# Altium PCB MAINBOARD_PCB.PcbDoc (part 1 of 5)
Units mm, origin at the board's own origin, x right, y up, seen from the top; angles counter-clockwise.
Board outline 480.55 x 38.8 mm, 4 copper layers (Top Layer, Int1 (GND), Int2 (PWR), Bottom Layer), stack 1.547 mm thick; 399 components, 366 nets, 1333 pads, 1063 vias.
Unrouted connection lines stored in the file: 46.
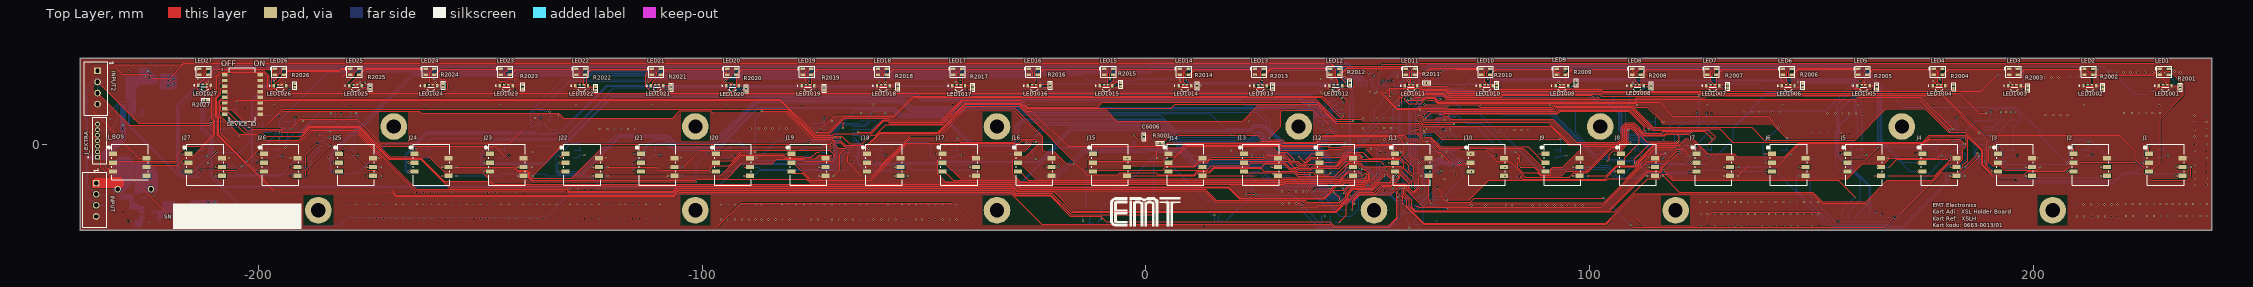
[diagram p0: Top Layer view]
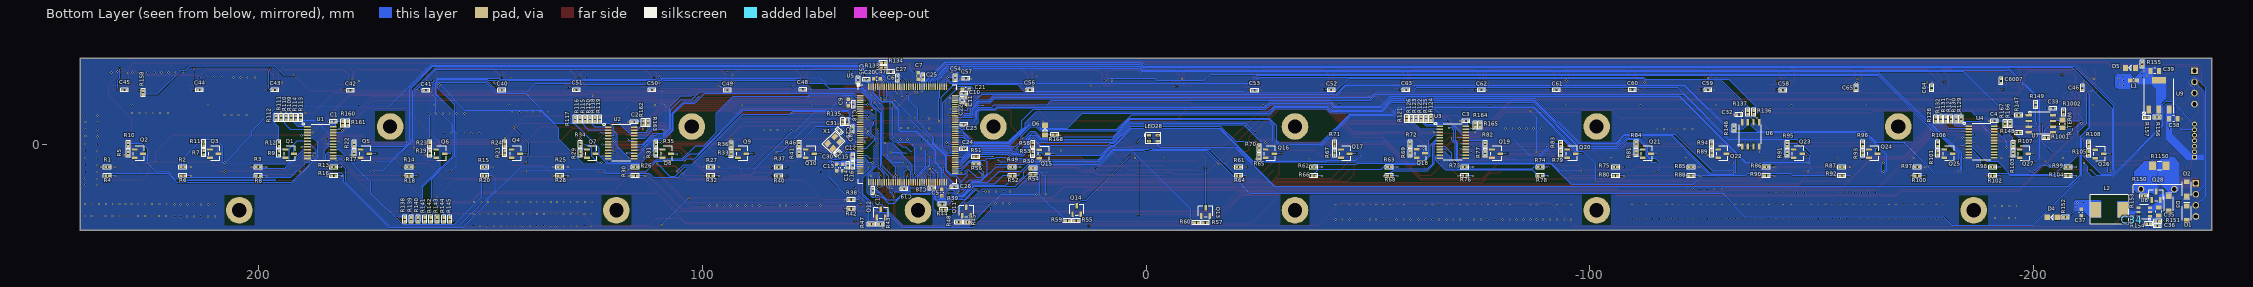
[diagram p1: Bottom Layer view, seen from below]
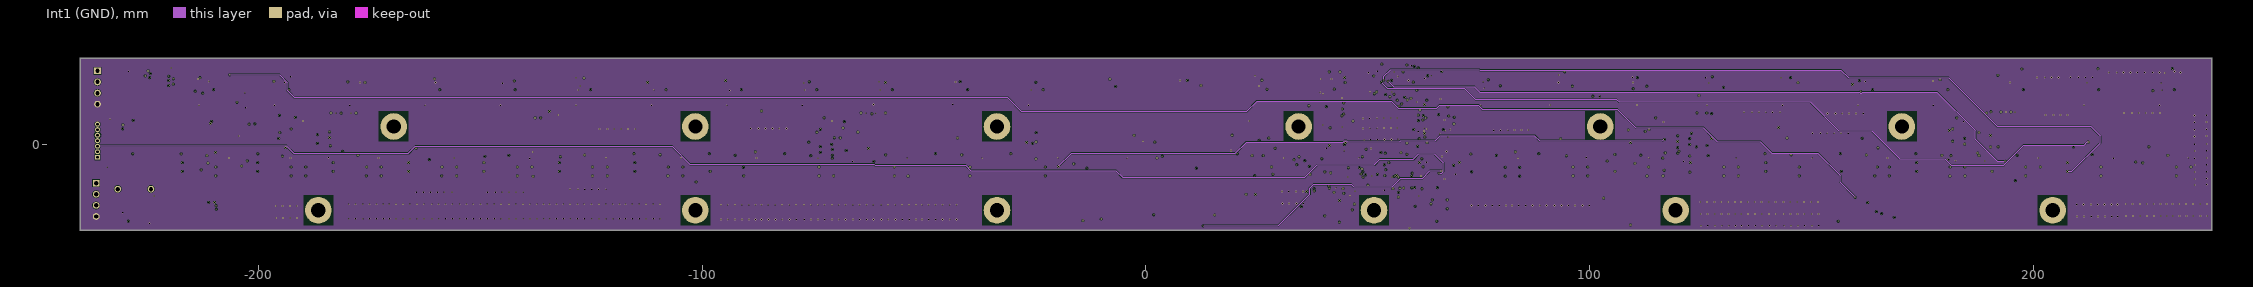
[diagram p2: Int1 (GND)]
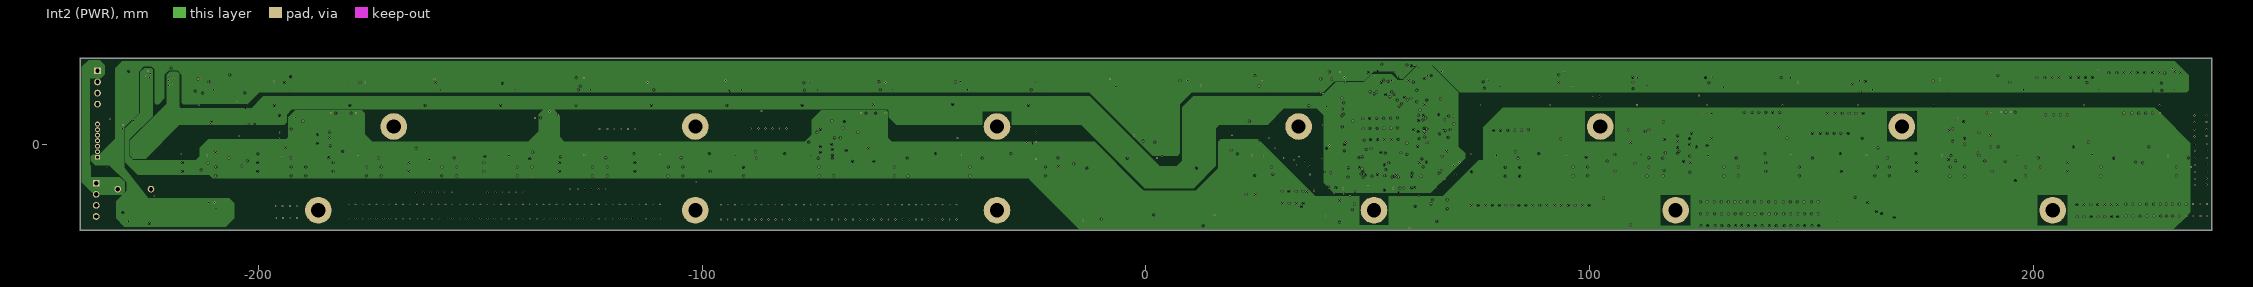
[diagram p3: Int2 (PWR)]
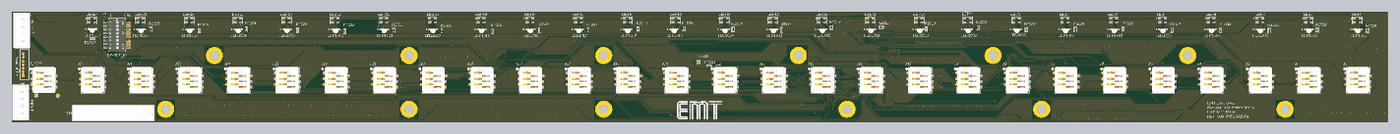
[diagram p8: 3D render of the assembled board from above, using the file's embedded part models]
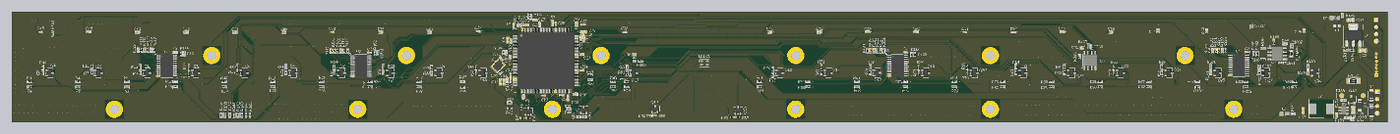
[diagram p9: 3D render of the assembled board from below, using the file's embedded part models]

## Layer stack, top to bottom
Top Solder: solder mask 0.0254, SM-001, Dk 4
Top Layer: signal copper 0.035
Dielectric 1: prepreg 0.1295, PP-017, Dk 4.3
Dielectric 2: prepreg 0.1295, PP-017, Dk 4.3
Int1 (GND): signal copper 0.035
Dielectric 3: core 0.889, Core-041, Dk 4.8
Int2 (PWR): signal copper 0.035
Dielectric 4: prepreg 0.1295, PP-017, Dk 4.3
Dielectric 5: prepreg 0.1295, PP-017, Dk 4.3
Bottom Layer: signal copper 0.035
Bottom Solder: solder mask 0.0254, SM-001, Dk 4

## Board outline
-240.275,-19.375 ccw(c-240.25,-19.375) -240.25,-19.4 240.225,-19.4 ccw(c240.225,-19.375) 240.243,-19.393 cw(c240.225,-19.375) 240.243,-19.393 240.268,-19.368 cw(c240.25,-19.35) 240.268,-19.368 ccw(c240.25,-19.35) 240.275,-19.35 240.275,19.375 ccw(c240.25,19.375) 240.25,19.4 -240.25,19.4 ccw(c-240.25,19.375) -240.275,19.375

## Design rules (kind name [scope] priority, off if disabled: settings)
BoardOutlineClearance [All] p1: gap=0.1 ignorepadtopadclearanceinfootprint=FALSE except(0.4: Track-OutlineEdge)
Clearance "PCBWAY Standarts" [All] p1: gap=0.1 ignorepadtopadclearanceinfootprint=FALSE
DiffPairsRouting [All] p1: maxlimit=0.254 minlimit=0.254 mostfreqgap=0.254 toplayer_minwidth=0.381 toplayer_maxwidth=0.381 toplayer_prefwidth=0.381 midlayer1_minwidth=0.381 midlayer1_maxwidth=0.381 midlayer1_prefwidth=0.381 midlayer2_minwidth=0.381 midlayer2_maxwidth=0.381 midlayer2_prefwidth=0.381 bottomlayer_minwidth=0.381 bottomlayer_maxwidth=0.381 bottomlayer_prefwidth=0.381 maxuncoupledlength=12.7
Height [All] p1: minheight=0 maxheight=35.4 prefheight=12.7
HoleSize [All] p1: absolutevalues=TRUE maxlimit=5 minlimit=0.2 maxpercent=80.000 minpercent=20.000
HoleToHoleClearance [All] p1: gap=0 allowstackedmicrovias=TRUE
MinimumSolderMaskSliver [All] p1: minsoldermaskwidth=0
PolygonConnect [All] p1: connectstyle=Relief reliefconductorwidth=0.254 reliefentries=4 polygonreliefangle="90 Angle" airgapwidth=0.254
RoutingVias 0.3mm/0.6mm [All] p1: holewidth=0.3 width=0.6 viastyle="Through Hole" minholewidth=0.1 minwidth=0.2 maxholewidth=4 maxwidth=5
SilkToSilkClearance [All] p1: silktosilkclearance=0.1
SilkToSolderMaskClearance [IsPad] p1: minsilkscreentomaskgap=0.05 clearancetoexposedcopper=TRUE
SolderMaskExpansion [All] p1: expansion=0.102
Width 0.15mm [All] p1: maxlimit=20 minlimit=0.15 preferedwidth=0.2 minimp=50.000000 maximp=50.000000 favimp=50.000000
23 further rules are at their usual default settings.

## Classes and differential pairs
component class RGB_LED_3: C64 C65 C67 C6006 C6007 LED25 LED26 LED27 LED28 LED1025 LED1026 LED1027 R2025 R2026 R2027 R3001
component class RGB_LED_2: C52 C53 C54 C55 C56 C57 C58 C59 C60 C61 C62 C63 LED13 LED14 LED15 LED16 LED17 LED18 LED19 LED20 LED21 LED22 LED23 LED24 LED1013 LED1014 LED1015 LED1016 LED1017 LED1018 LED1019 LED1020 LED1021 LED1022 LED1023 LED1024 R2013 R2014 R2015 R2016 R2017 R2018 R2019 R2020 R2021 R2022 R2023 R2024
component class "RGB LEDs": C40 C41 C42 C43 C44 C45 C46 C47 C48 C49 C50 C51 LED1 LED2 LED3 LED4 LED5 LED6 LED7 LED8 LED9 LED10 LED11 LED12 LED1001 LED1002 LED1003 LED1004 LED1005 LED1006 LED1007 LED1008 LED1009 LED1010 LED1011 LED1012 R158 R2001 R2002 R2003 R2004 R2005 R2006 R2007 R2008 R2009 R2010 R2011 R2012
component class POWER: C34 C35 C36 C37 C38 C39 D3 D4 D5 L2 Q28 R150 R151 R152 R153 R154 R155 R156 R157 R1150 U8 U9
component class MISC: C32 C33 D1 D2 D6 DEVICE_ID R136 R137 R138 R139 R140 R141 R142 R143 R144 R145 R146 R147 R148 R149 R168 R1001 R1002 R_TERM U6 U7
component class MICROCONTROLLER: C5 C6 C7 C8 C9 C10 C11 C12 C13 C14 C15 C16 C17 C18 C19 C20 C21 C22 C23 C24 C25 C26 C27 C28 C29 C30 C31 L1 R133 R134 R135 U5 X1
component class "I2C SWITCH": C1 C2 C3 C4 R109 R110 R111 R112 R113 R114 R115 R116 R117 R118 R119 R120 R121 R122 R123 R124 R125 R126 R127 R128 R129 R130 R131 R132 R160 R161 R162 R163 R164 R165 R166 R167 U1 U2 U3 U4
component class CONNECTORs: INPUT INPUT2 J1 J2 J3 J4 J5 J6 J7 J8 J9 J10 J11 J12 J13 J14 J15 J16 J17 J18 J19 J20 J21 J22 J23 J24 J25 J26 J27 J_BOS J_EXTRA Q1 Q2 Q3 Q4 Q5 Q6 Q7 Q8 Q9 Q10 Q11 Q12 Q13 Q14 Q15 Q16 Q17 Q18 Q19 Q20 Q21 Q22 Q23 Q24 Q25 Q26 Q27 R1 R2 R3 R4 R5 R6 R7 R8 R9 R10 R11 R12 R13 R14 R15 R16 R17 R18 R19 R20 R21 R22 R23 R24 R25 R26 R27 R28 R29 R30 R31 R32 R33 R34 R35 R36 R37 R38 R39 R40 R41 R42 R43 R44 R45 R46 R47 R48 R49 R50 R51 R52 R53 R54 R55 R56 R57 R58 R59 R60 R61 R62 R63 R64 R65 R66 R67 R68 R69 R70 R71 R72 R73 R74 R75 R76 R77 R78 R79 R80 R81 R82 R83 R84 R85 R86 R87 R88 R89 R90 R91 R92 R93 R94 R95 R96 R97 R98 R99 R100 R101 R102 R103 R104 R105 R106 R107 R108
differential pair RS485: +RS485_P -RS485_N

## Components (designator, comment, footprint, x,y, rotation, side; value= is the part's Value field where it differs from the comment)
C1 "CL05B104KP5NNNC" CAP_0402_CER 183.144,5.1 r180 bottom value=100nF
C2 "CL05B104KP5NNNC" CAP_0402_CER 115.369,5.05 r180 bottom value=100nF
C3 "CL05B104KP5NNNC" CAP_0402_CER -72.131,5.25 r180 bottom value=100nF
C4 "CL05B104KP5NNNC" CAP_0402_CER -191.306,5.225 r180 bottom value=100nF
C5 "CL10A225KP8NNNC" CAP_0603_CER 46.019,-10.875 r90 bottom value=2.2uF
C6 "CL10A225KP8NNNC" CAP_0603_CER 60.669,14.75 r0 bottom value=2.2uF
C7 "CL10A225KP8NNNC" CAP_0603_CER 51.319,15.4 r90 bottom value=2.2uF
C8 "CL05B104KP5NNNC" CAP_0402_CER 66.175,3.4 r270 bottom value=100nF
C9 "CL10A225KP8NNNC" CAP_0603_CER 67.119,9.4 r270 bottom value=2.2uF
C10 "CL05B104KP5NNNC" CAP_0402_CER 41.075,11.475 r180 bottom value=100nF
C11 "CL10A225KP8NNNC" CAP_0603_CER 40.39,9.714 r270 bottom value=2.2uF
C12 "CL05B104KP5NNNC" CAP_0402_CER 66.094,-2.825 r90 bottom value=100nF
C13 "CL10A225KP8NNNC" CAP_0603_CER 69.669,-5.25 r90 bottom value=2.2uF
C14 "CL05B104KP5NNNC" CAP_0402_CER 67.219,-4.8 r270 bottom value=100nF
C15 "CL10A225KP8NNNC" CAP_0603_CER 68.369,-5.25 r90 bottom value=2.2uF
C16 "CL05B104KP5NNNC" CAP_0402_CER 66.094,-4.8 r270 bottom value=100nF
C17 "CL05B104KP5NNNC" CAP_0402_CER 61.519,-10.475 r270 bottom value=100nF
C18 "CL05B104KP5NNNC" CAP_0402_CER 65.969,9 r90 bottom value=100nF
C19 "CL05B104KP5NNNC" CAP_0402_CER 54.525,-10.075 r180 bottom value=100nF
C20 "CL05B104KP5NNNC" CAP_0402_CER 63.019,14.6 r180 bottom value=100nF
C21 "CL10A475KP8NNNC" CAP_0603_CER 40.619,12.4 r0 bottom value=4.7uF
C22 "CL05B104KP5NNNC" CAP_0402_CER 41.442,9.914 r90 bottom value=100nF
C23 "CL05B104KP5NNNC" CAP_0402_CER 41.069,4.425 r180 bottom value=100nF
C24 "CL05B104KP5NNNC" CAP_0402_CER 41.076,-1.097 r180 bottom value=100nF
C25 "CL05B104KP5NNNC" CAP_0402_CER 50.3,15.1 r90 bottom value=100nF
C26 "CL05B104KP5NNNC" CAP_0402_CER 43.225,-9.65 r180 bottom value=100nF
C27 "CL05B104KP5NNNC" CAP_0402_CER 55.994,14.875 r90 bottom value=100nF
C28 "CL05B104KP5NNNC" CAP_0402_CER 48.278,-9.925 r180 bottom value=100nF
C29 "CL05B104KP5NNNC" CAP_0402_CER 67.319,5.05 r270 bottom value=100nF
C30 "CC0402JRNPO9BN180" CAP_0402_CER 69.494,-2.075 r315 bottom value=18pF
C31 "CC0402JRNPO9BN180" CAP_0402_CER 69.169,3.05 r45 bottom value=18pF
C32 "CL05B104KP5NNNC" CAP_0402_CER -133.681,6.65 r180 bottom value=100nF
C33 "CL05B104KP5NNNC" CAP_0402_CER -204.506,8.075 r180 bottom value=100nF
C34 "CL05B104KP5NNNC" CAP_0402_CER -222.381,-16.975 r270 bottom value=100nF
C35 "CL21A106KOQNNNE" CAP_0805_CER -228.331,-15.15 r90 bottom value=10uF
C36 "CC0402JRNPO9BN101" CAP_0402_CER -228.006,-18.4 r0 bottom value=100pF
C37 "CL10A475KP8NNNC" CAP_0603_CER -210.831,-15.375 r90 bottom value=4.7uF
C38 "CL21A106KOQNNNE" CAP_0805_CER -231.631,5.775 r0 bottom value=10uF
C39 "CL21A106KOQNNNE" CAP_0805_CER -227.406,16.5 r0 bottom value=10uF
C40 "CL05B104KP5NNNC" CAP_0402_CER 145.244,12.175 r0 bottom value=100nF
C41 "CL05B104KP5NNNC" CAP_0402_CER 162.319,12.15 r0 bottom value=100nF
C42 "CL05B104KP5NNNC" CAP_0402_CER 179.344,12.15 r0 bottom value=100nF
C43 "CL05B104KP5NNNC" CAP_0402_CER 196.369,12.2 r0 bottom value=100nF
C44 "CL05B104KP5NNNC" CAP_0402_CER 213.344,12.225 r0 bottom value=100nF
C45 "CL05B104KP5NNNC" CAP_0402_CER 230.294,12.25 r0 bottom value=100nF
C46 "CL05B104KP5NNNC" CAP_0402_CER -211.156,12.7 r270 bottom value=100nF
C47 "CL05B104KP5NNNC" CAP_0402_CER 57.5,16.35 r0 bottom value=100nF
C48 "CL05B104KP5NNNC" CAP_0402_CER 77.325,12.375 r0 bottom value=100nF
C49 "CL05B104KP5NNNC" CAP_0402_CER 94.369,12.175 r0 bottom value=100nF
C50 "CL05B104KP5NNNC" CAP_0402_CER 111.394,12.2 r0 bottom value=100nF
C51 "CL05B104KP5NNNC" CAP_0402_CER 128.394,12.25 r0 bottom value=100nF
C52 "CL05B104KP5NNNC" CAP_0402_CER -41.781,12.2 r0 bottom value=100nF
C53 "CL05B104KP5NNNC" CAP_0402_CER -24.506,12.15 r0 bottom value=100nF
C54 "CL05B104KP5NNNC" CAP_0402_CER 42.994,14.975 r270 bottom value=100nF
C55 "CL05B104KP5NNNC" CAP_0402_CER 64.875,14.475 r270 bottom value=100nF
C56 "CL05B104KP5NNNC" CAP_0402_CER 26.144,12.275 r0 bottom value=100nF
C57 "CL05B104KP5NNNC" CAP_0402_CER 40.55,14.85 r0 bottom value=100nF
C58 "CL05B104KP5NNNC" CAP_0402_CER -143.606,12.175 r0 bottom value=100nF
C59 "CL05B104KP5NNNC" CAP_0402_CER -126.681,12.225 r0 bottom value=100nF
C60 "CL05B104KP5NNNC" CAP_0402_CER -109.681,12.3 r0 bottom value=100nF
C61 "CL05B104KP5NNNC" CAP_0402_CER -92.556,12.25 r0 bottom value=100nF
C62 "CL05B104KP5NNNC" CAP_0402_CER -75.631,12.225 r0 bottom value=100nF
C63 "CL05B104KP5NNNC" CAP_0402_CER -58.656,12.225 r0 bottom value=100nF
C64 "CL05B104KP5NNNC" CAP_0402_CER -177.131,12.7 r270 bottom value=100nF
C65 "CL05B104KP5NNNC" CAP_0402_CER -160.131,12.7 r270 bottom value=100nF
C6006 "*" CAP_0402_CER -0.475,1.7 r90 top
C6007 "*" CAP_0402_CER -192.775,14.25 r90 bottom
D1 "SMF16CA" SOD-123F -234.681,-15.419 r270 bottom value=16V
D2 "SMF16CA" SOD-123F -234.631,-10.181 r90 bottom value=16V
D3 "SMF13A" SOD-123F -230.625,-13.275 r270 bottom value=13V
D4 "HSMM-C170" LED_0805_SMD -204.381,-16.55 r0 bottom
D5 "HSMM-C170" LED_0805_SMD -222.006,17.125 r0 bottom
D6 "HSMM-C170" LED_0805_SMD 22.848,3.099 r90 bottom
DEVICE_ID "218-8LPST" 218-8LPST -203.706,11.3 r0 top locked value=SPST-8POS
INPUT "B4B-XH-A" B4B-XH-A -236.681,-12.45 r90 top value=4pos
INPUT2 "B4B-XH-A" B4B-XH-A -236.375,12.875 r90 top value=4pos
J1 "009159006651906" 009159006651906 229.575,-4.565 r270 top locked value=N/A
J2 "009159006651906" 009159006651906 212.575,-4.565 r270 top locked value=N/A
J3 "009159006651906" 009159006651906 195.575,-4.565 r270 top locked value=N/A
J4 "009159006651906" 009159006651906 178.575,-4.565 r270 top locked value=N/A
J5 "009159006651906" 009159006651906 161.575,-4.565 r270 top locked value=N/A
J6 "009159006651906" 009159006651906 144.575,-4.565 r270 top locked value=N/A
J7 "009159006651906" 009159006651906 127.575,-4.565 r270 top locked value=N/A
J8 "009159006651906" 009159006651906 110.575,-4.565 r270 top locked value=N/A
J9 "009159006651906" 009159006651906 93.575,-4.565 r270 top locked value=N/A
J10 "009159006651906" 009159006651906 76.575,-4.565 r270 top locked value=N/A
J11 "009159006651906" 009159006651906 59.575,-4.565 r270 top locked value=N/A
J12 "009159006651906" 009159006651906 42.575,-4.565 r270 top locked value=N/A
J13 "009159006651906" 009159006651906 25.575,-4.565 r270 top locked value=N/A
J14 "009159006651906" 009159006651906 8.575,-4.565 r270 top locked value=N/A
J15 "009159006651906" 009159006651906 -8.425,-4.565 r270 top locked value=N/A
J16 "009159006651906" 009159006651906 -25.425,-4.565 r270 top locked value=N/A
J17 "009159006651906" 009159006651906 -42.425,-4.565 r270 top locked value=N/A
J18 "009159006651906" 009159006651906 -59.425,-4.565 r270 top locked value=N/A
J19 "009159006651906" 009159006651906 -76.425,-4.565 r270 top locked value=N/A
J20 "009159006651906" 009159006651906 -93.425,-4.565 r270 top locked value=N/A
J21 "009159006651906" 009159006651906 -110.425,-4.565 r270 top locked value=N/A
J22 "009159006651906" 009159006651906 -127.425,-4.565 r270 top locked value=N/A
J23 "009159006651906" 009159006651906 -144.425,-4.565 r270 top locked value=N/A
J24 "009159006651906" 009159006651906 -161.425,-4.565 r270 top locked value=N/A
J25 "009159006651906" 009159006651906 -178.425,-4.565 r270 top locked value=N/A
J26 "009159006651906" 009159006651906 -195.425,-4.565 r270 top locked value=N/A
J27 "009159006651906" 009159006651906 -212.425,-4.565 r270 top locked value=N/A
J_BOS "009159006651906" 009159006651906 -229.425,-4.565 r270 top locked value=N/A
J_EXTRA "1734598-7" TE_1734598-7 -236.375,0.811 r90 top
L1 "MPZ1608S221ATA00" IND_0603_SMD -222.631,14.4 r0 bottom value="220 Ohms @ 100 MHz"
L2 "BMRB00060630100MA1" IND_YAGEO -220.206,-14.725 r0 bottom value=10u
LED1 "IN-PI22TAT5R5G5B" RGB_IN-PI22TAT5R5G5B 230.575,17 r180 top value=N/A
LED2 "IN-PI22TAT5R5G5B" RGB_IN-PI22TAT5R5G5B 213.575,17 r180 top value=N/A
LED3 "IN-PI22TAT5R5G5B" RGB_IN-PI22TAT5R5G5B 196.575,17 r180 top value=N/A
LED4 "IN-PI22TAT5R5G5B" RGB_IN-PI22TAT5R5G5B 179.575,17 r180 top value=N/A
LED5 "IN-PI22TAT5R5G5B" RGB_IN-PI22TAT5R5G5B 162.575,17 r180 top value=N/A
LED6 "IN-PI22TAT5R5G5B" RGB_IN-PI22TAT5R5G5B 145.575,17 r180 top value=N/A
LED7 "IN-PI22TAT5R5G5B" RGB_IN-PI22TAT5R5G5B 128.575,17 r180 top value=N/A
LED8 "IN-PI22TAT5R5G5B" RGB_IN-PI22TAT5R5G5B 111.575,17 r180 top value=N/A
LED9 "IN-PI22TAT5R5G5B" RGB_IN-PI22TAT5R5G5B 94.575,17 r180 top value=N/A
LED10 "IN-PI22TAT5R5G5B" RGB_IN-PI22TAT5R5G5B 77.575,17 r180 top value=N/A
LED11 "IN-PI22TAT5R5G5B" RGB_IN-PI22TAT5R5G5B 60.575,17 r180 top value=N/A
LED12 "IN-PI22TAT5R5G5B" RGB_IN-PI22TAT5R5G5B 43.575,17 r180 top value=N/A
LED13 "IN-PI22TAT5R5G5B" RGB_IN-PI22TAT5R5G5B 26.575,17 r180 top value=N/A
LED14 "IN-PI22TAT5R5G5B" RGB_IN-PI22TAT5R5G5B 9.575,17 r180 top value=N/A
LED15 "IN-PI22TAT5R5G5B" RGB_IN-PI22TAT5R5G5B -7.425,17 r180 top value=N/A
LED16 "IN-PI22TAT5R5G5B" RGB_IN-PI22TAT5R5G5B -24.425,17 r180 top value=N/A
LED17 "IN-PI22TAT5R5G5B" RGB_IN-PI22TAT5R5G5B -41.425,17 r180 top value=N/A
LED18 "IN-PI22TAT5R5G5B" RGB_IN-PI22TAT5R5G5B -58.425,17 r180 top value=N/A
LED19 "IN-PI22TAT5R5G5B" RGB_IN-PI22TAT5R5G5B -75.425,17 r180 top locked value=N/A
LED20 "IN-PI22TAT5R5G5B" RGB_IN-PI22TAT5R5G5B -92.425,17 r180 top locked value=N/A
LED21 "IN-PI22TAT5R5G5B" RGB_IN-PI22TAT5R5G5B -109.425,17 r180 top locked value=N/A
LED22 "IN-PI22TAT5R5G5B" RGB_IN-PI22TAT5R5G5B -126.425,17 r180 top locked value=N/A
LED23 "IN-PI22TAT5R5G5B" RGB_IN-PI22TAT5R5G5B -143.425,17 r180 top locked value=N/A
LED24 "IN-PI22TAT5R5G5B" RGB_IN-PI22TAT5R5G5B -160.425,17 r180 top locked value=N/A
LED25 "IN-PI22TAT5R5G5B" RGB_IN-PI22TAT5R5G5B -177.425,17 r180 top locked value=N/A
LED26 "IN-PI22TAT5R5G5B" RGB_IN-PI22TAT5R5G5B -194.425,17 r180 top locked value=N/A
LED27 "IN-PI22TAT5R5G5B" RGB_IN-PI22TAT5R5G5B -211.425,17 r180 top locked value=N/A
LED28 "IN-PI22TAT5R5G5B" RGB_IN-PI22TAT5R5G5B -2.675,2 r0 bottom value=N/A
LED1001 "12-23C/RSGHBHW-5V01/2C" LED_12-23C/RSGHBHW-5V01/2C 229.775,13.2 r180 top
LED1002 "12-23C/RSGHBHW-5V01/2C" LED_12-23C/RSGHBHW-5V01/2C 212.775,13.2 r180 top
LED1003 "12-23C/RSGHBHW-5V01/2C" LED_12-23C/RSGHBHW-5V01/2C 195.775,13.2 r180 top
LED1004 "12-23C/RSGHBHW-5V01/2C" LED_12-23C/RSGHBHW-5V01/2C 178.775,13.2 r180 top
LED1005 "12-23C/RSGHBHW-5V01/2C" LED_12-23C/RSGHBHW-5V01/2C 161.775,13.2 r180 top
LED1006 "12-23C/RSGHBHW-5V01/2C" LED_12-23C/RSGHBHW-5V01/2C 144.775,13.2 r180 top
LED1007 "12-23C/RSGHBHW-5V01/2C" LED_12-23C/RSGHBHW-5V01/2C 127.775,13.2 r180 top
LED1008 "12-23C/RSGHBHW-5V01/2C" LED_12-23C/RSGHBHW-5V01/2C 110.775,13.2 r180 top
LED1009 "12-23C/RSGHBHW-5V01/2C" LED_12-23C/RSGHBHW-5V01/2C 93.775,13.2 r180 top
LED1010 "12-23C/RSGHBHW-5V01/2C" LED_12-23C/RSGHBHW-5V01/2C 76.775,13.2 r180 top
LED1011 "12-23C/RSGHBHW-5V01/2C" LED_12-23C/RSGHBHW-5V01/2C 59.775,13.2 r180 top
LED1012 "12-23C/RSGHBHW-5V01/2C" LED_12-23C/RSGHBHW-5V01/2C 42.775,13.2 r180 top
LED1013 "12-23C/RSGHBHW-5V01/2C" LED_12-23C/RSGHBHW-5V01/2C 25.775,13.2 r180 top
LED1014 "12-23C/RSGHBHW-5V01/2C" LED_12-23C/RSGHBHW-5V01/2C 8.775,13.2 r180 top
LED1015 "12-23C/RSGHBHW-5V01/2C" LED_12-23C/RSGHBHW-5V01/2C -9.006,13.2 r180 top
LED1016 "12-23C/RSGHBHW-5V01/2C" LED_12-23C/RSGHBHW-5V01/2C -25.225,13.2 r180 top
LED1017 "12-23C/RSGHBHW-5V01/2C" LED_12-23C/RSGHBHW-5V01/2C -42.225,13.2 r180 top
LED1018 "12-23C/RSGHBHW-5V01/2C" LED_12-23C/RSGHBHW-5V01/2C -59.225,13.2 r180 top
LED1019 "12-23C/RSGHBHW-5V01/2C" LED_12-23C/RSGHBHW-5V01/2C -76.225,13.2 r180 top locked
LED1020 "12-23C/RSGHBHW-5V01/2C" LED_12-23C/RSGHBHW-5V01/2C -93.225,13.2 r180 top locked
LED1021 "12-23C/RSGHBHW-5V01/2C" LED_12-23C/RSGHBHW-5V01/2C -110.225,13.2 r180 top locked
LED1022 "12-23C/RSGHBHW-5V01/2C" LED_12-23C/RSGHBHW-5V01/2C -127.225,13.2 r180 top locked
LED1023 "12-23C/RSGHBHW-5V01/2C" LED_12-23C/RSGHBHW-5V01/2C -144.225,13.2 r180 top locked
LED1024 "12-23C/RSGHBHW-5V01/2C" LED_12-23C/RSGHBHW-5V01/2C -161.225,13.2 r180 top locked
LED1025 "12-23C/RSGHBHW-5V01/2C" LED_12-23C/RSGHBHW-5V01/2C -178.225,13.2 r180 top locked
LED1026 "12-23C/RSGHBHW-5V01/2C" LED_12-23C/RSGHBHW-5V01/2C -195.225,13.2 r180 top locked
LED1027 "12-23C/RSGHBHW-5V01/2C" LED_12-23C/RSGHBHW-5V01/2C -212.225,13.3 r180 top locked
Q1 "GSF3407" SOT-23 193.056,-2.125 r270 bottom value=N/A
Q2 "GSF3407" SOT-23 227.056,-2.125 r270 bottom value=N/A
Q3 "GSF3407" SOT-23 210.056,-2.125 r270 bottom value=N/A
Q4 "GSF3407" SOT-23 142.056,-2.125 r270 bottom value=N/A
Q5 "GSF3407" SOT-23 176.056,-2.125 r270 bottom value=N/A
Q6 "GSF3407" SOT-23 159.056,-2.125 r270 bottom value=N/A
Q7 "GSF3407" SOT-23 125.056,-2.125 r270 bottom value=N/A
Q8 "GSF3407" SOT-23 108.056,-2.125 r270 bottom value=N/A
Q9 "GSF3407" SOT-23 91.056,-2.125 r270 bottom value=N/A
Q10 "GSF3407" SOT-23 75.731,-2.125 r270 bottom value=N/A
Q11 "GSF3407" SOT-23 40.501,-15.15 r180 bottom value=N/A
Q12 "GSF3407" SOT-23 59.775,-15.581 r180 bottom value=N/A
Q13 "GSF3407" SOT-23 -13.431,-15.238 r180 bottom value=N/A
Q14 "GSF3407" SOT-23 15.619,-14.838 r180 bottom value=N/A
Q15 "GSF3407" SOT-23 23.096,-2.159 r270 bottom value=N/A
Q16 "GSF3407" SOT-23 -27.944,-2.125 r270 bottom value=N/A
Q17 "GSF3407" SOT-23 -44.911,-2.125 r270 bottom value=N/A
Q18 "GSF3407" SOT-23 -61.969,-2.075 r270 bottom value=N/A
Q19 "GSF3407" SOT-23 -78.936,-2.125 r270 bottom value=N/A
Q20 "GSF3407" SOT-23 -95.944,-2.125 r270 bottom value=N/A
Q21 "GSF3407" SOT-23 -112.919,-2.125 r270 bottom value=N/A
Q22 "GSF3407" SOT-23 -129.944,-2.125 r270 bottom value=N/A
Q23 "GSF3407" SOT-23 -146.984,-2.125 r270 bottom value=N/A
Q24 "GSF3407" SOT-23 -163.969,-2.125 r270 bottom value=N/A
Q25 "GSF3407" SOT-23 -180.944,-2.125 r270 bottom value=N/A
Q26 "GSF3407" SOT-23 -214.956,-2.162 r270 bottom value=N/A
Q27 "GSF3407" SOT-23 -197.944,-2.125 r270 bottom value=N/A
Q28 "GSF3407" SOT-23 -227.706,-11.6 r180 bottom value=N/A
R1 "RMCF0402JT100R" RES_0402_SMD 234.129,-5.125 r0 bottom value=100R
R2 "RMCF0402JT100R" RES_0402_SMD 217.129,-5.125 r0 bottom value=100R
R3 "RMCF0402JT100R" RES_0402_SMD 200.129,-5.125 r0 bottom value=100R
R4 "RMCF0402JT100R" RES_0402_SMD 234.129,-7.125 r0 bottom value=100R
R5 "RMCF0402JT100K" RES_0402_SMD 229.494,-2.075 r270 bottom value=100k
R6 "RMCF0402JT100R" RES_0402_SMD 217.129,-7.125 r0 bottom value=100R
R7 "RMCF0402JT100K" RES_0402_SMD 212.469,-1.9 r270 bottom value=100k
R8 "RMCF0402JT100R" RES_0402_SMD 200.129,-7.125 r0 bottom value=100R
R9 "RMCF0402JT100K" RES_0402_SMD 195.469,-2.025 r270 bottom value=100k
R10 "RMCF0402JT100R" RES_0402_SMD 229.494,-0.075 r90 bottom value=100R
R11 "RMCF0402JT100R" RES_0402_SMD 212.469,0.1 r90 bottom value=100R
R12 "RMCF0402JT100R" RES_0402_SMD 195.469,0 r90 bottom value=100R
R13 "RMCF0402JT100R" RES_0402_SMD 183.129,-5.125 r0 bottom value=100R
R14 "RMCF0402JT100R" RES_0402_SMD 166.129,-5.125 r0 bottom value=100R
R15 "RMCF0402JT100R" RES_0402_SMD 149.129,-5.125 r0 bottom value=100R
R16 "RMCF0402JT100R" RES_0402_SMD 183.129,-7.125 r0 bottom value=100R
R17 "RMCF0402JT100K" RES_0402_SMD 178.469,-2.05 r270 bottom value=100k
R18 "RMCF0402JT100R" RES_0402_SMD 166.129,-7.125 r0 bottom value=100R
R19 "RMCF0402JT100K" RES_0402_SMD 161.469,-2.025 r270 bottom value=100k
R20 "RMCF0402JT100R" RES_0402_SMD 149.129,-7.125 r0 bottom value=100R
R21 "RMCF0402JT100K" RES_0402_SMD 144.519,-1.95 r270 bottom value=100k
R22 "RMCF0402JT100R" RES_0402_SMD 178.469,-0.025 r90 bottom value=100R
R23 "RMCF0402JT100R" RES_0402_SMD 161.469,-0.025 r90 bottom value=100R
R24 "RMCF0402JT100R" RES_0402_SMD 144.519,0.025 r90 bottom value=100R
R25 "RMCF0402JT100R" RES_0402_SMD 132.129,-5.125 r0 bottom value=100R
R26 "RMCF0402JT100R" RES_0402_SMD 115.129,-5.125 r0 bottom value=100R
R27 "RMCF0402JT100R" RES_0402_SMD 98.129,-5.125 r0 bottom value=100R
R28 "RMCF0402JT100R" RES_0402_SMD 132.129,-7.125 r0 bottom value=100R
R29 "RMCF0402JT100K" RES_0402_SMD 127.494,-2.05 r270 bottom value=100k
R30 "RMCF0402JT100R" RES_0402_SMD 115.129,-7.125 r0 bottom value=100R
R31 "RMCF0402JT100K" RES_0402_SMD 110.469,-2.025 r270 bottom value=100k
R32 "RMCF0402JT100R" RES_0402_SMD 98.129,-7.125 r0 bottom value=100R
R33 "RMCF0402JT100K" RES_0402_SMD 93.469,-2.175 r270 bottom value=100k
R34 "RMCF0402JT100R" RES_0402_SMD 127.494,-0.05 r90 bottom value=100R
R35 "RMCF0402JT100R" RES_0402_SMD 110.469,-0.025 r90 bottom value=100R
R36 "RMCF0402JT100R" RES_0402_SMD 93.469,-0.175 r90 bottom value=100R
R37 "RMCF0402JT100R" RES_0402_SMD 82.804,-5.2 r0 bottom value=100R
R38 "RMCF0402JT100R" RES_0402_SMD 66.454,-12.55 r0 bottom value=100R
R39 "RMCF0402JT100R" RES_0402_SMD 45.941,-13.575 r0 bottom value=100R
R40 "RMCF0402JT100R" RES_0402_SMD 82.804,-7.2 r0 bottom value=100R
R41 "RMCF0402JT100K" RES_0402_SMD 78.144,-2.075 r270 bottom value=100k
R42 "RMCF0402JT100R" RES_0402_SMD 66.454,-14.55 r0 bottom value=100R
R43 "RMCF0402JT100K" RES_0402_SMD 59.9,-17.994 r180 bottom value=100k
R44 "RMCF0402JT100R" RES_0402_SMD 45.625,-14.8 r0 bottom value=100R
R45 "RMCF0402JT100K" RES_0402_SMD 40.226,-17.562 r180 bottom value=100k
R46 "RMCF0402JT100R" RES_0402_SMD 78.144,-0.075 r90 bottom value=100R
R47 "RMCF0402JT100R" RES_0402_SMD 61.9,-17.994 r0 bottom value=100R
R48 "RMCF0402JT100R" RES_0402_SMD 42.226,-17.562 r0 bottom value=100R
R49 "RMCF0402JT100R" RES_0402_SMD 30.129,-5.125 r0 bottom value=100R
R50 "RMCF0402JT100R" RES_0402_SMD 25.469,-5.425 r0 bottom value=100R
R51 "RMCF0402JT100R" RES_0402_SMD 38.344,-2.85 r180 bottom value=100R
R52 "RMCF0402JT100R" RES_0402_SMD 30.129,-7.125 r0 bottom value=100R
R53 "RMCF0402JT100K" RES_0402_SMD 25.519,-2.109 r270 bottom value=100k
R54 "RMCF0402JT100R" RES_0402_SMD 25.469,-6.85 r0 bottom value=100R
R55 "RMCF0402JT100K" RES_0402_SMD 15.719,-17.25 r180 bottom value=100k
R56 "RMCF0402JT100R" RES_0402_SMD 38.3,-4.525 r180 bottom value=100R
R57 "RMCF0402JT100K" RES_0402_SMD -13.356,-17.65 r180 bottom value=100k
R58 "RMCF0402JT100R" RES_0402_SMD 25.519,-0.109 r90 bottom value=100R
R59 "RMCF0402JT100R" RES_0402_SMD 17.719,-17.25 r0 bottom value=100R
R60 "RMCF0402JT100R" RES_0402_SMD -11.356,-17.65 r0 bottom value=100R
R61 "RMCF0402JT100R" RES_0402_SMD -20.871,-5.125 r0 bottom value=100R
R62 "RMCF0402JT100R" RES_0402_SMD -37.871,-5.125 r0 bottom value=100R
R63 "RMCF0402JT100R" RES_0402_SMD -54.871,-5.125 r0 bottom value=100R
R64 "RMCF0402JT100R" RES_0402_SMD -20.871,-7.125 r0 bottom value=100R
R65 "RMCF0402JT100K" RES_0402_SMD -25.544,-2.875 r270 bottom value=100k
R66 "RMCF0402JT100R" RES_0402_SMD -37.871,-7.125 r0 bottom value=100R
R67 "RMCF0402JT100K" RES_0402_SMD -42.499,-1.975 r270 bottom value=100k
R68 "RMCF0402JT100R" RES_0402_SMD -54.871,-7.125 r0 bottom value=100R
R69 "RMCF0402JT100K" RES_0402_SMD -59.556,-1.975 r270 bottom value=100k
R70 "RMCF0402JT100R" RES_0402_SMD -25.544,-0.85 r90 bottom value=100R
R71 "RMCF0402JT100R" RES_0402_SMD -42.499,0.025 r90 bottom value=100R
R72 "RMCF0402JT100R" RES_0402_SMD -59.556,0.025 r90 bottom value=100R
R73 "RMCF0402JT100R" RES_0402_SMD -71.871,-5.125 r0 bottom value=100R
R74 "RMCF0402JT100R" RES_0402_SMD -88.871,-5.125 r0 bottom value=100R
R75 "RMCF0402JT100R" RES_0402_SMD -105.871,-5.125 r0 bottom value=100R
R76 "RMCF0402JT100R" RES_0402_SMD -71.871,-7.125 r0 bottom value=100R
R77 "RMCF0402JT100K" RES_0402_SMD -76.524,-2.05 r270 bottom value=100k
R78 "RMCF0402JT100R" RES_0402_SMD -88.871,-7.125 r0 bottom value=100R
R79 "RMCF0402JT100K" RES_0402_SMD -93.531,-2.05 r270 bottom value=100k
R80 "RMCF0402JT100R" RES_0402_SMD -105.871,-7.125 r0 bottom value=100R
R81 "RMCF0402JT100K" RES_0402_SMD -110.506,-1.95 r270 bottom value=100k
R82 "RMCF0402JT100R" RES_0402_SMD -76.524,-0.05 r90 bottom value=100R
R83 "RMCF0402JT100R" RES_0402_SMD -93.531,-0.05 r90 bottom value=100R
R84 "RMCF0402JT100R" RES_0402_SMD -110.506,0.05 r90 bottom value=100R
R85 "RMCF0402JT100R" RES_0402_SMD -122.871,-5.125 r0 bottom value=100R
R86 "RMCF0402JT100R" RES_0402_SMD -139.871,-5.125 r0 bottom value=100R
R87 "RMCF0402JT100R" RES_0402_SMD -156.871,-5.125 r0 bottom value=100R
R88 "RMCF0402JT100R" RES_0402_SMD -122.871,-7.125 r0 bottom value=100R
R89 "RMCF0402JT100K" RES_0402_SMD -127.531,-1.975 r270 bottom value=100k
R90 "RMCF0402JT100R" RES_0402_SMD -139.871,-7.125 r0 bottom value=100R
R91 "RMCF0402JT100K" RES_0402_SMD -144.571,-2.075 r270 bottom value=100k
R92 "RMCF0402JT100R" RES_0402_SMD -156.871,-7.125 r0 bottom value=100R
R93 "RMCF0402JT100K" RES_0402_SMD -161.556,-2 r270 bottom value=100k
R94 "RMCF0402JT100R" RES_0402_SMD -127.531,0.025 r90 bottom value=100R
R95 "RMCF0402JT100R" RES_0402_SMD -144.571,-0.075 r90 bottom value=100R
R96 "RMCF0402JT100R" RES_0402_SMD -161.556,0 r90 bottom value=100R
R97 "RMCF0402JT100R" RES_0402_SMD -173.871,-5.125 r0 bottom value=100R
R98 "RMCF0402JT100R" RES_0402_SMD -190.871,-5.125 r0 bottom value=100R
R99 "RMCF0402JT100R" RES_0402_SMD -207.871,-5.125 r0 bottom value=100R
R100 "RMCF0402JT100R" RES_0402_SMD -173.871,-7.125 r0 bottom value=100R
R101 "RMCF0402JT100K" RES_0402_SMD -178.531,-2 r270 bottom value=100k
R102 "RMCF0402JT100R" RES_0402_SMD -190.871,-7.125 r0 bottom value=100R
R103 "RMCF0402JT100K" RES_0402_SMD -195.531,-2.075 r270 bottom value=100k
R104 "RMCF0402JT100R" RES_0402_SMD -207.871,-7.125 r0 bottom value=100R
R105 "RMCF0402JT100K" RES_0402_SMD -212.544,-2.062 r270 bottom value=100k
R106 "RMCF0402JT100R" RES_0402_SMD -178.531,0 r90 bottom value=100R
R107 "RMCF0402JT100R" RES_0402_SMD -195.531,-0.075 r90 bottom value=100R
R108 "RMCF0402JT100R" RES_0402_SMD -212.544,-0.037 r90 bottom value=100R
R109 "RMCF0402JT2K20" RES_0402_SMD 192.744,5.975 r90 bottom value=2k2
R110 "RMCF0402JT2K20" RES_0402_SMD 193.869,5.975 r90 bottom value=2k2
R111 "RMCF0402JT2K20" RES_0402_SMD 194.994,5.975 r90 bottom value=2k2
R112 "RMCF0402JT2K20" RES_0402_SMD 196.094,5.975 r90 bottom value=2k2
R113 "RMCF0402JT2K20" RES_0402_SMD 190.544,5.975 r90 bottom value=2k2
R114 "RMCF0402JT2K20" RES_0402_SMD 191.643,5.975 r90 bottom value=2k2
R115 "RMCF0402JT2K20" RES_0402_SMD 126.419,5.6 r90 bottom value=2k2
R116 "RMCF0402JT2K20" RES_0402_SMD 127.544,5.6 r90 bottom value=2k2
R117 "RMCF0402JT2K20" RES_0402_SMD 128.669,5.6 r90 bottom value=2k2
R118 "RMCF0402JT2K20" RES_0402_SMD 124.219,5.6 r90 bottom value=2k2
R119 "RMCF0402JT2K20" RES_0402_SMD 123.119,5.6 r90 bottom value=2k2
R120 "RMCF0402JT2K20" RES_0402_SMD 125.319,5.6 r90 bottom value=2k2
R121 "RMCF0402JT2K20" RES_0402_SMD -58.756,5.775 r90 bottom value=2k2
R122 "RMCF0402JT2K20" RES_0402_SMD -62.056,5.775 r90 bottom value=2k2
R123 "RMCF0402JT2K20" RES_0402_SMD -60.956,5.775 r90 bottom value=2k2
R124 "RMCF0402JT2K20" RES_0402_SMD -64.256,5.775 r90 bottom value=2k2
R125 "RMCF0402JT2K20" RES_0402_SMD -63.156,5.775 r90 bottom value=2k2
R126 "RMCF0402JT2K20" RES_0402_SMD -59.856,5.775 r90 bottom value=2k2
R127 "RMCF0402JT2K20" RES_0402_SMD -181.481,5.65 r90 bottom value=2k2
R128 "RMCF0402JT2K20" RES_0402_SMD -178.081,5.65 r90 bottom value=2k2
R129 "RMCF0402JT2K20" RES_0402_SMD -183.756,5.65 r90 bottom value=2k2
R130 "RMCF0402JT2K20" RES_0402_SMD -182.631,5.65 r90 bottom value=2k2
R131 "RMCF0402JT2K20" RES_0402_SMD -180.331,5.65 r90 bottom value=2k2
R132 "RMCF0402JT2K20" RES_0402_SMD -179.181,5.65 r90 bottom value=2k2
R133 "RMCF0402JT2K20" RES_0402_SMD 59.219,17.3 r180 bottom value=2k2
R134 "RMCF0402JT2K20" RES_0402_SMD 59.219,18.425 r0 bottom value=2k2
R135 "RMCF0402JT2K20" RES_0402_SMD 68.394,5.025 r90 bottom value=2k2
R136 "RMCF0402JT2K20" RES_0402_SMD -136.981,7.175 r90 bottom value=2k2
R137 "RMCF0402JT2K20" RES_0402_SMD -135.681,7.2 r90 bottom value=2k2
R138 "RMCF0402JT2K20" RES_0402_SMD 167.069,-16.925 r90 bottom value=2k2
R139 "RMCF0402JT2K20" RES_0402_SMD 165.619,-16.925 r90 bottom value=2k2
R140 "RMCF0402JT2K20" RES_0402_SMD 164.119,-16.925 r90 bottom value=2k2
R141 "RMCF0402JT2K20" RES_0402_SMD 162.644,-16.925 r90 bottom value=2k2
R142 "RMCF0402JT2K20" RES_0402_SMD 161.219,-16.925 r90 bottom value=2k2
R143 "RMCF0402JT2K20" RES_0402_SMD 159.794,-16.95 r90 bottom value=2k2
R144 "RMCF0402JT2K20" RES_0402_SMD 158.369,-16.95 r90 bottom value=2k2
R145 "RMCF0402JT2K20" RES_0402_SMD 156.994,-16.95 r90 bottom value=2k2
R146 "RMCF0402JT2K20" RES_0402_SMD -132.581,3.625 r270 bottom value=2k2
R147 "RMCF0402JT100R" RES_0402_SMD -196.756,6.525 r0 bottom value=100R
R148 "RMCF0402JT100R" RES_0402_SMD -196.731,2.65 r0 bottom value=100R
R149 "RMCF0402JT2K20" RES_0402_SMD -200.581,8.9 r270 bottom value=2k2
R150 "MF72-005D9" MF72-005D9 -231.825,-10.1 r0 bottom value=3A
R151 "RMCF0402FT158K" RES_0402_SMD -228.056,-17.35 r180 bottom value=158k
R152 "RMCF0402FT3K00" RES_0402_SMD -207.281,-16.5 r180 bottom value=3k0
R153 "RMCF0402JT100K" RES_0402_SMD -224.906,-11.7 r180 bottom value=100k
R154 "RMCF0402JT30K0" RES_0402_SMD -226.031,-17.875 r180 bottom value=30k
R155 "RMCF0402FT3K00" RES_0402_SMD -224.556,18.05 r270 bottom value=3k0
R156 "RMCF0402FT2K00" RES_0402_SMD -227.931,6.05 r180 bottom value=2k0
R157 "RMCF0402FT3K00" RES_0402_SMD -225.656,6.025 r180 bottom value=3k0
R158 "RMCF0402JT100R" RES_0402_SMD 226.05,11.65 r270 bottom value=100R
R160 "RMCF0402JT2K20" RES_0402_SMD 181.044,4.725 r90 bottom value=2k2
R161 "RMCF0402JT2K20" RES_0402_SMD 179.944,4.725 r90 bottom value=2k2
R162 "RMCF0402JT2K20" RES_0402_SMD 113.294,4.825 r90 bottom value=2k2
R163 "RMCF0402JT2K20" RES_0402_SMD 112.194,4.825 r90 bottom value=2k2
R164 "RMCF0402JT2K20" RES_0402_SMD -74.181,4.325 r90 bottom value=2k2
R165 "RMCF0402JT2K20" RES_0402_SMD -75.331,4.325 r90 bottom value=2k2
R166 "RMCF0402JT2K20" RES_0402_SMD -194.806,4.625 r90 bottom value=2k2
R167 "RMCF0402JT2K20" RES_0402_SMD -193.681,4.625 r90 bottom value=2k2
R168 "RMCF0402JT2K20" RES_0402_SMD 20.525,2.1 r180 bottom value=2k2
R1001 "RMCF0402JT2K20" RES_0402_SMD -203,1.425 r180 bottom value=2.2K
R1002 "RMCF0402JT2K20" RES_0402_SMD -206.85,7.225 r270 bottom value=2.2K
R1150 "0R" RES_1206_SMD -228.45,-4.875 r0 bottom
R2001 "RMCF0402JT100R" RES_0402_SMD 233.2,12.825 r270 top value=100R
R2002 "RMCF0402JT100R" RES_0402_SMD 215.675,12.9 r270 top value=100R
R2003 "RMCF0402JT100R" RES_0402_SMD 198.825,12.7 r270 top value=100R
R2004 "RMCF0402JT100R" RES_0402_SMD 182.05,13 r90 top value=100R
R2005 "RMCF0402JT100R" RES_0402_SMD 164.775,12.975 r90 top value=100R
R2006 "RMCF0402JT100R" RES_0402_SMD 148.05,13.275 r270 top value=100R
R2007 "RMCF0402JT100R" RES_0402_SMD 131.125,13.095 r90 top value=100R
R2008 "RMCF0402JT100R" RES_0402_SMD 113.95,13.15 r90 top value=100R
R2009 "RMCF0402JT100R" RES_0402_SMD 97.05,13.875 r90 top value=100R
R2010 "RMCF0402JT100R" RES_0402_SMD 79.075,13.275 r90 top value=100R
R2011 "RMCF0402JT100R" RES_0402_SMD 63.275,13.875 r180 top value=100R
R2012 "RMCF0402JT100R" RES_0402_SMD 45.9,13.875 r270 top value=100R
R2013 "RMCF0402JT100R" RES_0402_SMD 28.6,13.025 r90 top value=100R
R2014 "RMCF0402JT100R" RES_0402_SMD 11.525,13.2 r270 top value=100R
R2015 "RMCF0402JT100R" RES_0402_SMD -5.7,13.52 r90 top value=100R
R2016 "RMCF0402JT100R" RES_0402_SMD -21.6,13.275 r90 top value=100R
R2017 "RMCF0402JT100R" RES_0402_SMD -39.075,12.875 r90 top value=100R
R2018 "RMCF0402JT100R" RES_0402_SMD -55.925,13 r90 top value=100R
R2019 "RMCF0402JT100R" RES_0402_SMD -72.525,12.65 r90 top value=100R
R2020 "RMCF0402JT100R" RES_0402_SMD -90.1,12.525 r90 top value=100R
R2021 "RMCF0402JT100R" RES_0402_SMD -107.075,12.9 r90 top value=100R
R2022 "RMCF0402JT100R" RES_0402_SMD -124.075,12.6 r90 top value=100R
R2023 "RMCF0402JT100R" RES_0402_SMD -140.55,12.975 r90 top value=100R
R2024 "RMCF0402JT100R" RES_0402_SMD -158.45,13.275 r90 top value=100R
R2025 "RMCF0402JT100R" RES_0402_SMD -174.875,12.8 r270 top value=100R
R2026 "RMCF0402JT100R" RES_0402_SMD -191.95,13.25 r90 top value=100R
R2027 "RMCF0402JT100R" RES_0402_SMD -212.025,9.925 r180 top value=100R
R3001 "RMCF0402JT100R" RES_0402_SMD 3.2,0.25 r0 top value=100R
R_TERM "ESR10EZPJ121" RES_0805_SMD -206.631,4.6 r270 bottom value=120R
U1 "TCA9548APWR" 24-TSSOP 186.119,0.375 r180 bottom value=N/A
U2 "TCA9548APWR" 24-TSSOP 118.294,0.275 r180 bottom locked value=N/A
U3 "TCA9548APWR" 24-TSSOP -69.156,0.45 r180 bottom value=N/A
U4 "TCA9548APWR" 24-TSSOP -188.356,0.525 r180 bottom value=N/A
U5 "STM32H563ZIT6" LQFP-144 53.744,2.2 r180 bottom value=N/A
U6 "M24256E-FMN6TP" "8-SOIC(0.154\", 3.90mm Width)" -136.206,2.4 r90 bottom value=256Kbit
U7 "SP3082EEN-L" "8-SOIC(0.154\", 3.90mm Width)" -201.881,4.75 r180 bottom value=256nodes
U8 "AP63200WU-7" TSOT-23-6 -224.981,-15.45 r0 bottom value=N/A
U9 "AMS1117-ADJ" SOT-223-3 -228.356,11.15 r180 bottom value=1A
X1 "CF4016M00009T1521005" XTAL-4SMD 70.407,0.369 r45 bottom value=16Mhz

## Footprints (in the part's own frame and the unit in brackets; to place one, negate y for a bottom-side part, rotate by r counter-clockwise, add the part's x,y. Pads: shape width x height; smd on the part's side, far side on the other; paste and mask are expansions set on the pad)
"8-SOIC(0.154\", 3.90mm Width)" [mm]
  rect 1.417x0.533 smd paste+0: 1(-2.89,1.773) 2(-2.89,0.503) 3(-2.89,-0.767) 4(-2.89,-2.037) 5(2.59,-2.037) 6(2.59,-0.767) 7(2.59,0.503) 8(2.59,1.773)
  silkscreen extent -2.88,-2.47 2.02,2.73, body extent -3.17,-2.68 3.02,2.4, height 1.76
24-TSSOP [mil]
  rect 58x14 smd paste+0: 1(-115,140.75) 2(-115,115.16) 3(-115,89.57) 4(-115,63.98) 5(-115,38.39) 6(-115,12.8) 7(-115,-12.8) 8(-115,-38.39) 9(-115,-63.98) 10(-115,-89.57) 11(-115,-115.16) 12(-115,-140.75) 13(115,-140.75) 14(115,-115.16) 15(115,-89.57) 16(115,-63.98) 17(115,-38.39) 18(115,-12.8) 19(115,12.8) 20(115,38.39) 21(115,63.98) 22(115,89.57) 23(115,115.16) 24(115,140.75)
  silkscreen extent -163,-160 83,176, body extent -130,-156 130,156, height 47
218-8LPST [mm]
  rect 1.27x0.762 smd paste+0: 1(-4,4.343) 2(-4,3.073) 3(-4,1.803) 4(-4,0.533) 5(-4,-0.737) 6(-4,-2.007) 7(-4,-3.277) 8(-4,-4.547) 9(4,-4.547) 10(4,-3.277) 11(4,-2.007) 12(4,-0.737) 13(4,0.533) 14(4,1.803) 15(4,3.073) 16(4,4.343)
  silkscreen extent -2.92,-6.15 2.92,5.94, body extent -4.27,-5.75 4.17,5.58, height 2.57
009159006651906 [mil] "6 POS EDGE CONN"
  rect 39x71 smd: 1(-96.06,-136.65) 2(-56.69,162.56) 3(-17.32,-136.65) 4(22.05,162.56) 5(61.42,-136.65) 6(100.79,162.56)
  silkscreen extent -180,-180 184,175, body extent -175,-165 179,189, height 199
B4B-XH-A [mm]
  rect 1.508x1.508 hole 1: 1(3.675,0)
  round 1.508 hole 1: 2(1.175,0) 3(-1.325,0) 4(-3.825,0)
  silkscreen extent -6.28,-2.35 6.9,3.04, body extent -6.25,-2.3 6.15,3.45, height 7
CAP_0402_CER [mm] "Generic"
  rect 0.5x0.5 smd: 1(-0.45,0) 2(0.45,0)
  silkscreen extent -0.86,-0.41 0.86,0.41, body extent -0.5,-0.25 0.5,0.25, height 0.5
CAP_0603_CER [mm] "Generic"
  rect 0.8x0.8 smd: 1(-0.75,0) 2(0.75,0)
  silkscreen extent -0.1,-0.4 0.1,0.4, body extent -0.8,-0.4 0.8,0.4, height 0.8
CAP_0805_CER [mm] "Generic"
  rect 0.9x1.3 smd: 1(-0.95,0) 2(0.95,0)
  silkscreen extent -0.2,-0.65 0.2,0.65, body extent -1,-0.62 1,0.63, height 0.6
IND_0603_SMD [mm] "Generic"
  rect 0.95x0.95 smd: 1(-0.725,0) 2(0.725,0)
  silkscreen extent -0.08,-0.4 0.08,0.4, body extent -0.8,-0.48 0.8,0.47, height 0.78
IND_YAGEO [mm] "BMRB00060630100MA1"
  rect 2.35x3.5 smd: 1(0,0) 2(6.05,0)
  silkscreen extent -1.35,-3.35 7.37,3.32, body extent -0.62,-3.3 6.68,3.3, height 3
LED_12-23C/RSGHBHW-5V01/2C [mm]
  rect 0.55x0.78 smd: 1(1.425,0) 4(-1.425,0)
  rect 0.55x0.34 smd: 2(0.425,-0.22) 3(-0.425,-0.22)
  silkscreen extent -0.89,-0.1 2.45,1.3, body extent -1.5,-0.25 1.5,1.25, height 1.1
LED_0805_SMD [mm]
  rect 1.15x1.3 smd: A(-1.048,-0.073) C(1.201,-0.073)
  silkscreen extent -0.15,-0.7 0.46,0.54, body extent -0.95,-0.7 1.05,0.55, height 0.72
LQFP-144 [mil]
  rect 58x11 smd paste+0: 1(-422,344.49) 2(-422,324.8) 3(-422,305.12) 4(-422,285.43) 5(-422,265.75) 6(-422,246.06) 7(-422,226.38) 8(-422,206.69) 9(-422,187.01) 10(-422,167.32) 11(-422,147.64) 12(-422,127.95) 13(-422,108.27) 14(-422,88.58) 15(-422,68.9) 16(-422,49.21) 17(-422,29.53) 18(-422,9.84) 19(-422,-9.84) 20(-422,-29.53) 21(-422,-49.21) 22(-422,-68.9) 23(-422,-88.58) 24(-422,-108.27) 25(-422,-127.95) 26(-422,-147.64) 27(-422,-167.32) 28(-422,-187.01) 29(-422,-206.69) 30(-422,-226.38) 31(-422,-246.06) 32(-422,-265.75) 33(-422,-285.43) 34(-422,-305.12) 35(-422,-324.8) 36(-422,-344.49) 73(422,-344.49) 74(422,-324.8) 75(422,-305.12) 76(422,-285.43) 77(422,-265.75) 78(422,-246.06) 79(422,-226.38) 80(422,-206.69) 81(422,-187.01) 82(422,-167.32) 83(422,-147.64) 84(422,-127.95) 85(422,-108.27) 86(422,-88.58) 87(422,-68.9) 88(422,-49.21) 89(422,-29.53) 90(422,-9.84) 91(422,9.84) 92(422,29.53) 93(422,49.21) 94(422,68.9) 95(422,88.58) 96(422,108.27) 97(422,127.95) 98(422,147.64) 99(422,167.32) 100(422,187.01) 101(422,206.69) 102(422,226.38) 103(422,246.06) 104(422,265.75) 105(422,285.43) 106(422,305.12) 107(422,324.8) 108(422,344.49)
  rect 11x58 smd paste+0: 37(-344.49,-422) 38(-324.8,-422) 39(-305.12,-422) 40(-285.43,-422) 41(-265.75,-422) 42(-246.06,-422) 43(-226.38,-422) 44(-206.69,-422) 45(-187.01,-422) 46(-167.32,-422) 47(-147.64,-422) 48(-127.95,-422) 49(-108.27,-422) 50(-88.58,-422) 51(-68.9,-422) 52(-49.21,-422) 53(-29.53,-422) 54(-9.84,-422) 55(9.84,-422) 56(29.53,-422) 57(49.21,-422) 58(68.9,-422) 59(88.58,-422) 60(108.27,-422) 61(127.95,-422) 62(147.64,-422) 63(167.32,-422) 64(187.01,-422) 65(206.69,-422) 66(226.38,-422) 67(246.06,-422) 68(265.75,-422) 69(285.43,-422) 70(305.12,-422) 71(324.8,-422) 72(344.49,-422) 109(344.49,422) 110(324.8,422) 111(305.12,422) 112(285.43,422) 113(265.75,422) 114(246.06,422) 115(226.38,422) 116(206.69,422) 117(187.01,422) 118(167.32,422) 119(147.64,422) 120(127.95,422) 121(108.27,422) 122(88.58,422) 123(68.9,422) 124(49.21,422) 125(29.53,422) 126(9.84,422) 127(-9.84,422) 128(-29.53,422) 129(-49.21,422) 130(-68.9,422) 131(-88.58,422) 132(-108.27,422) 133(-127.95,422) 134(-147.64,422) 135(-167.32,422) 136(-187.01,422) 137(-206.69,422) 138(-226.38,422) 139(-246.06,422) 140(-265.75,422) 141(-285.43,422) 142(-305.12,422) 143(-324.8,422) 144(-344.49,422)
  silkscreen extent -449,-437 437,449, body extent -437,-437 437,437, height 63
MF72-005D9 [mm]
  round 1.5 hole 1: 1(0,0) 2(7.5,0)
  silkscreen extent -1.75,-0.92 9.25,0.92, body extent -1.75,-0.64 9.25,0.63, height 12.5
RES_0402_SMD [mm] "Generic"
  rect 0.6x0.55 smd: 1(-0.425,0) 2(0.425,0)
  silkscreen extent -0.9,-0.45 0.9,0.45, body extent -0.5,-0.25 0.5,0.25, height 0.35
RES_0805_SMD [mm] "Generic"
  rect 1.1x1.4 smd: 1(-0.875,0) 2(0.875,0)
  silkscreen extent -0.15,-0.65 0.15,0.65, body extent -1,-0.62 1,0.63, height 0.45
RES_1206_SMD [mm] "Generic"
  rect 1.6x1.9 smd: 1(-1.55,0) 2(1.55,0)
  silkscreen extent -0.5,-0.95 0.5,0.95, body extent -1.55,-0.8 1.65,0.8, height 0.55
RGB_IN-PI22TAT5R5G5B [mm]
  rect 1x0.6 smd: 1(2,0) 2(2,1.3) 3(0,1.3) 4(0,0)
  silkscreen extent -0.7,-0.63 2.95,1.92, body extent -0.35,-0.55 2.35,1.85, height 1.1
SOD-123F [mil]
  rect 43x47 smd paste+0: 1(-58.82,-0.98) 2(68.18,-0.98)
  silkscreen extent -88,-41 67,39, body extent -72,-40 82,39, height 43
SOT-23 [mil]
  rect 22x51 smd paste+0: 1(-37.4,-37.5) 2(37.4,-37.5) 3(0,37.5)
  silkscreen extent -64,-49 64,49, body extent -59,-49 59,49, height 46
SOT-223-3 [mm]
  rect 1x1.8 smd paste+0: 1(-2.29,-3.264) 2(0,-3.264) 3(2.29,-3.264)
  rect 3.2x1.473 smd paste+0: 4(0,3.264)
  silkscreen extent -3.68,-4.45 3.35,3.65, body extent -3.35,-3.65 3.35,3.64, height 1.81
TE_1734598-7 [mm]
  rect 1.108x1.108 hole 0.6: 1(-3.734,0)
  round 1.108 hole 0.6: 2(-2.489,0) 3(-1.245,0) 4(0,0) 5(1.245,0) 6(2.489,0) 7(3.734,0)
  silkscreen extent -5.23,-2.07 5.23,2.23
TSOT-23-6 [mil]
  rect 35.5x20 smd paste+0: 1(-52.9,30.08) 2(-52.9,-7.32) 3(-52.9,-44.72) 4(49.6,-44.72) 5(49.6,-7.32) 6(49.6,30.08)
  silkscreen extent -58,-71 37,65, body extent -57,-66 53,52, height 39
XTAL-4SMD [mm]
  rect 1.143x1.397 smd paste-0.572: 1(-0.8,1.1) 2(-0.8,-1.1) 3(0.8,-1.1) 4(0.8,1.1)
  silkscreen extent -1.7,-2.05 1.63,2.05, body extent -1.3,-1.65 1.3,1.65, height 0.76